# Altium PCB ES_Class6C_2L.PcbDoc (part 1 of 2)
Units mm, origin at the board's own origin, x right, y up, seen from the top; angles counter-clockwise.
Board outline 35 x 74.03 mm, 4 copper layers (Top Layer, Layer 1, Layer 2, Bottom Layer), stack 1.536 mm thick; 108 components, 95 nets, 399 pads, 264 vias.
Unrouted connection lines stored in the file: 113.
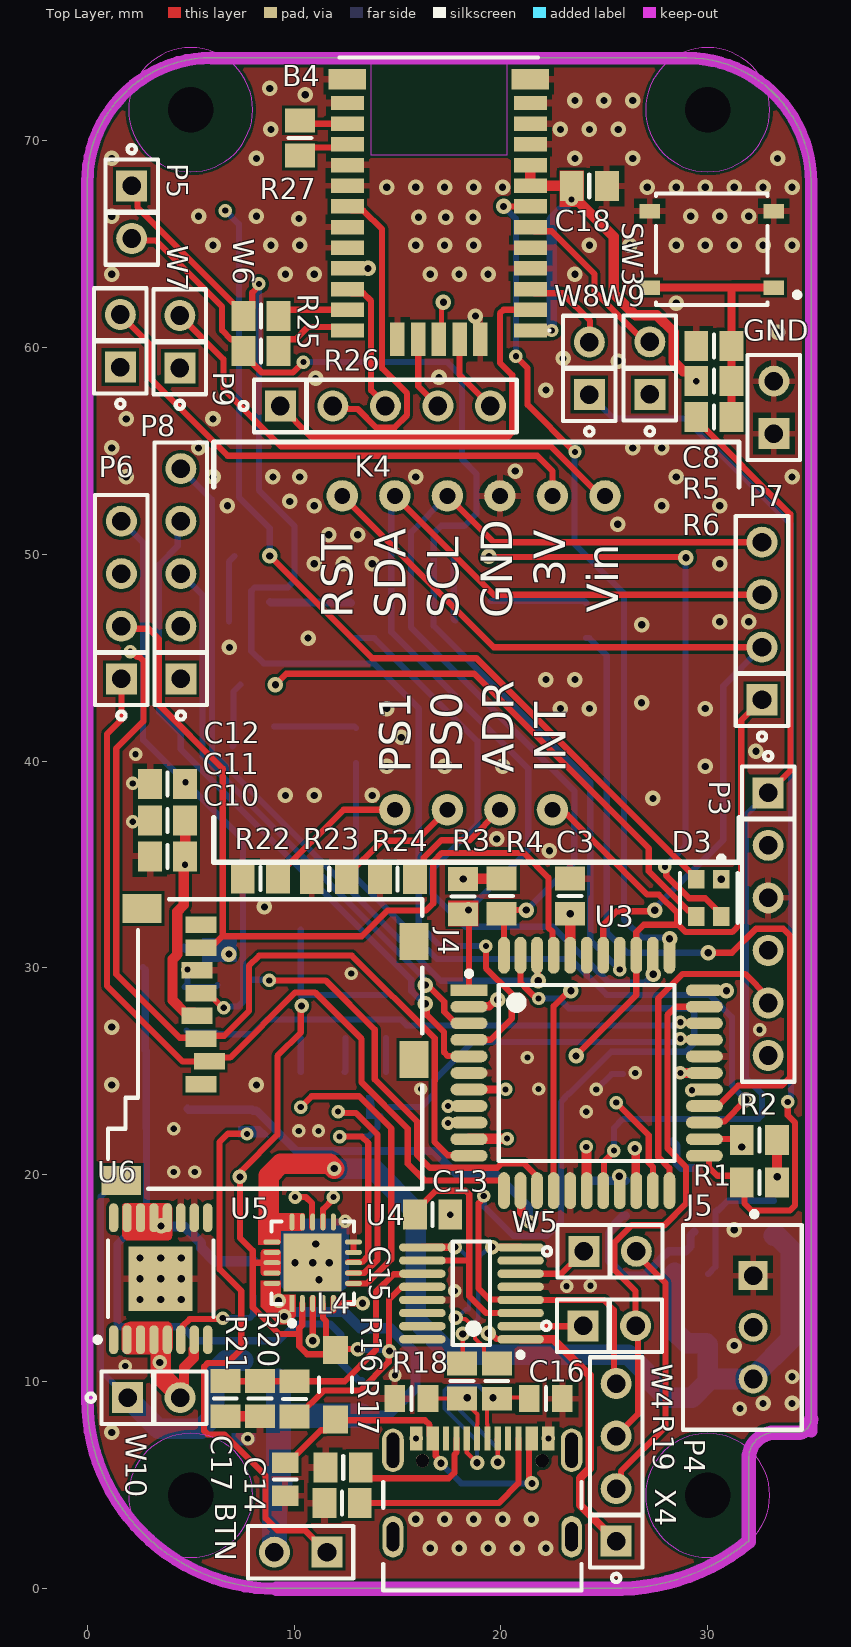
[diagram p0: Top Layer view]
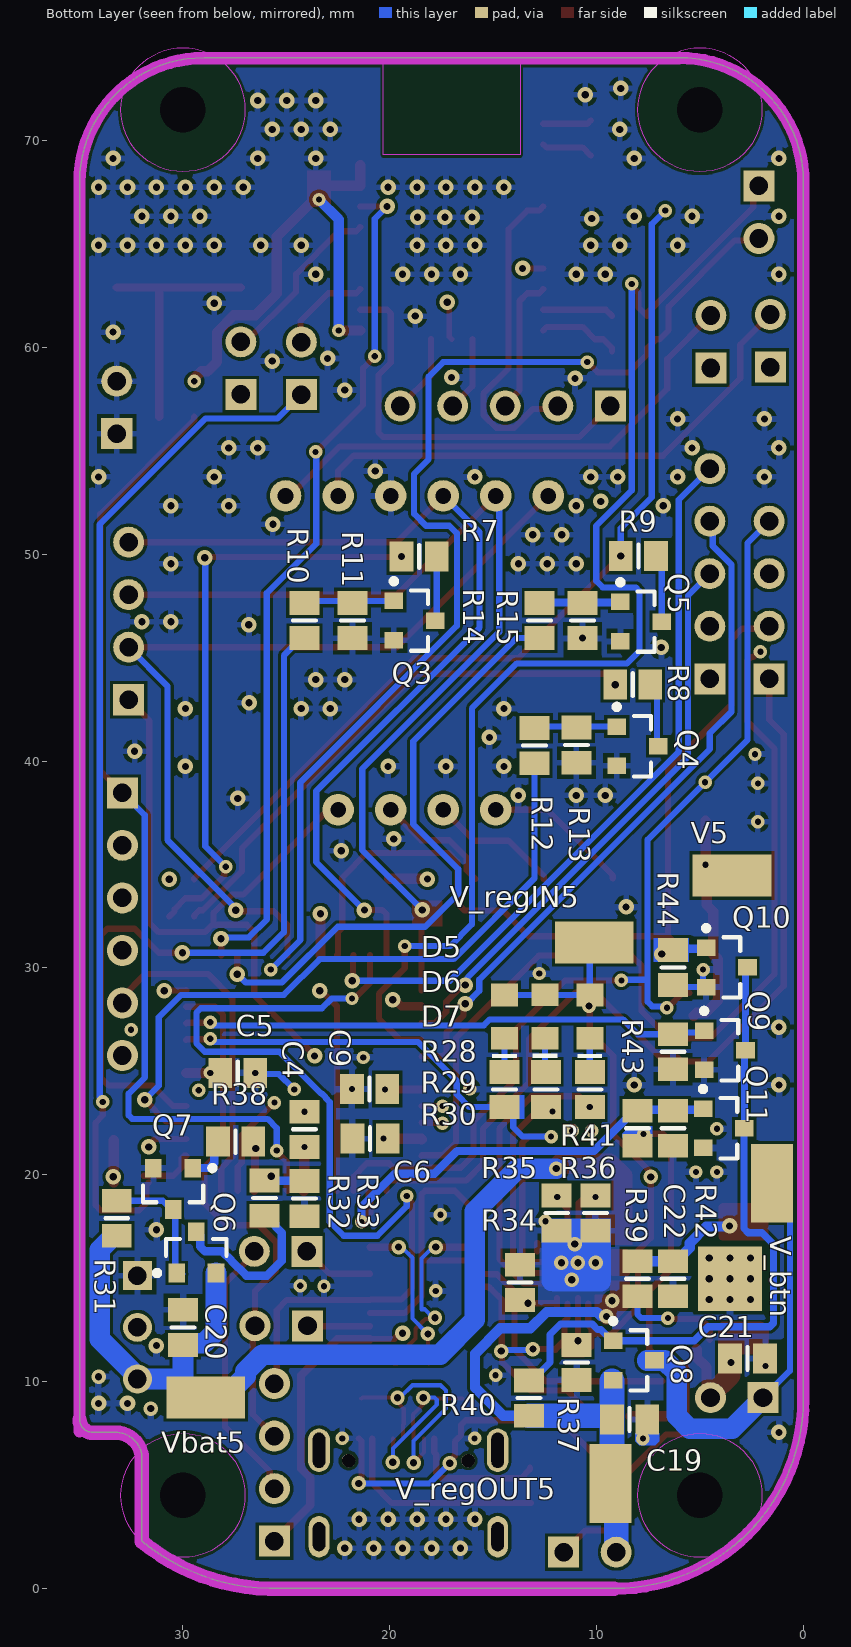
[diagram p1: Bottom Layer view, seen from below]
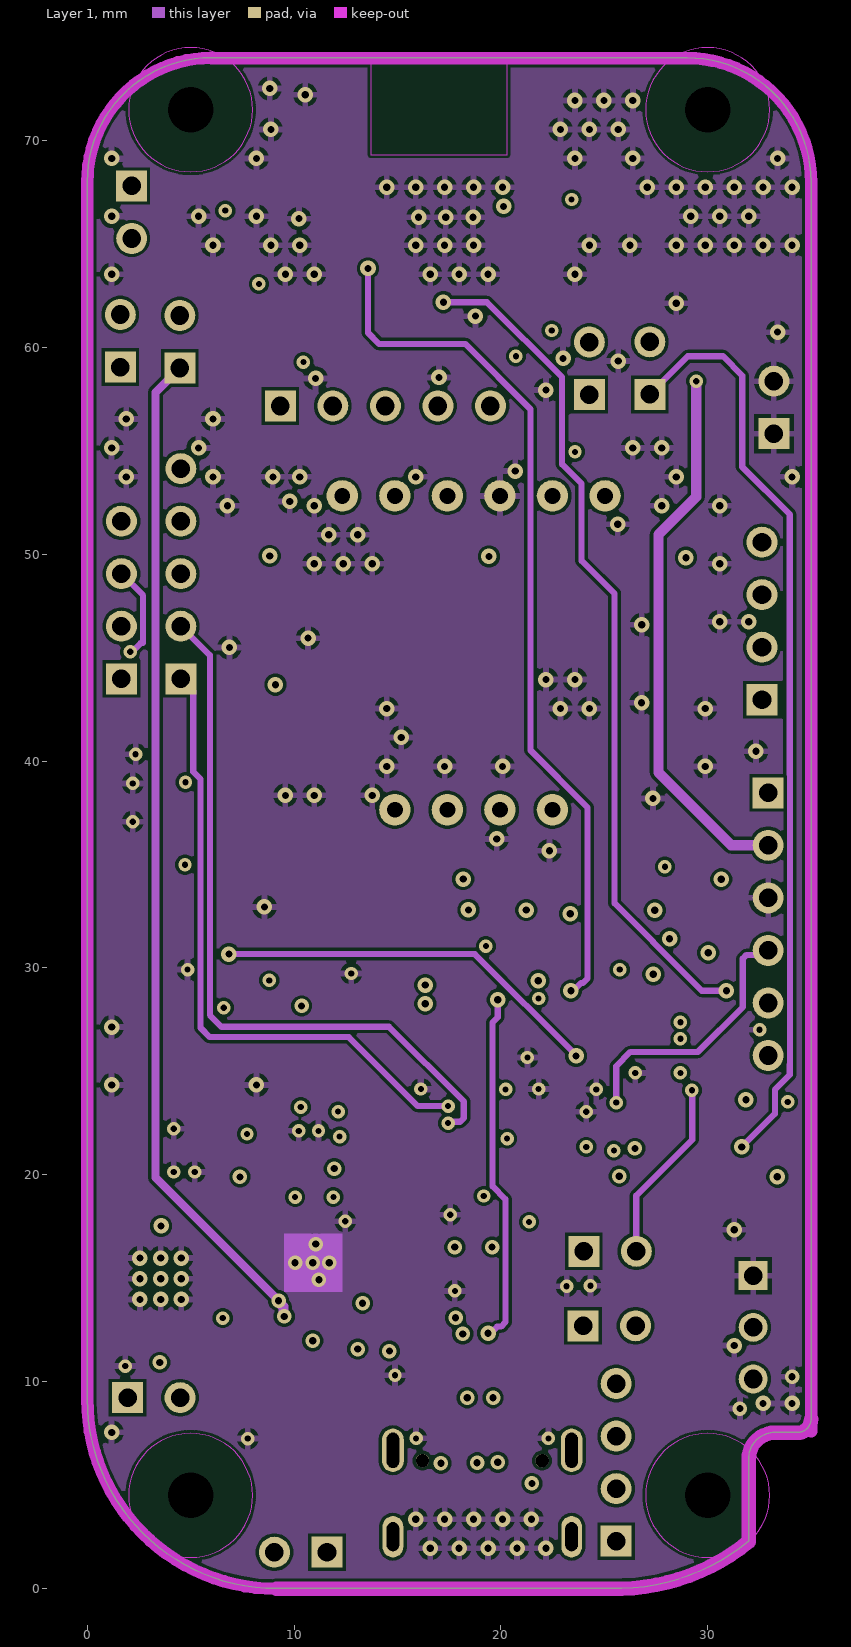
[diagram p2: Layer 1]
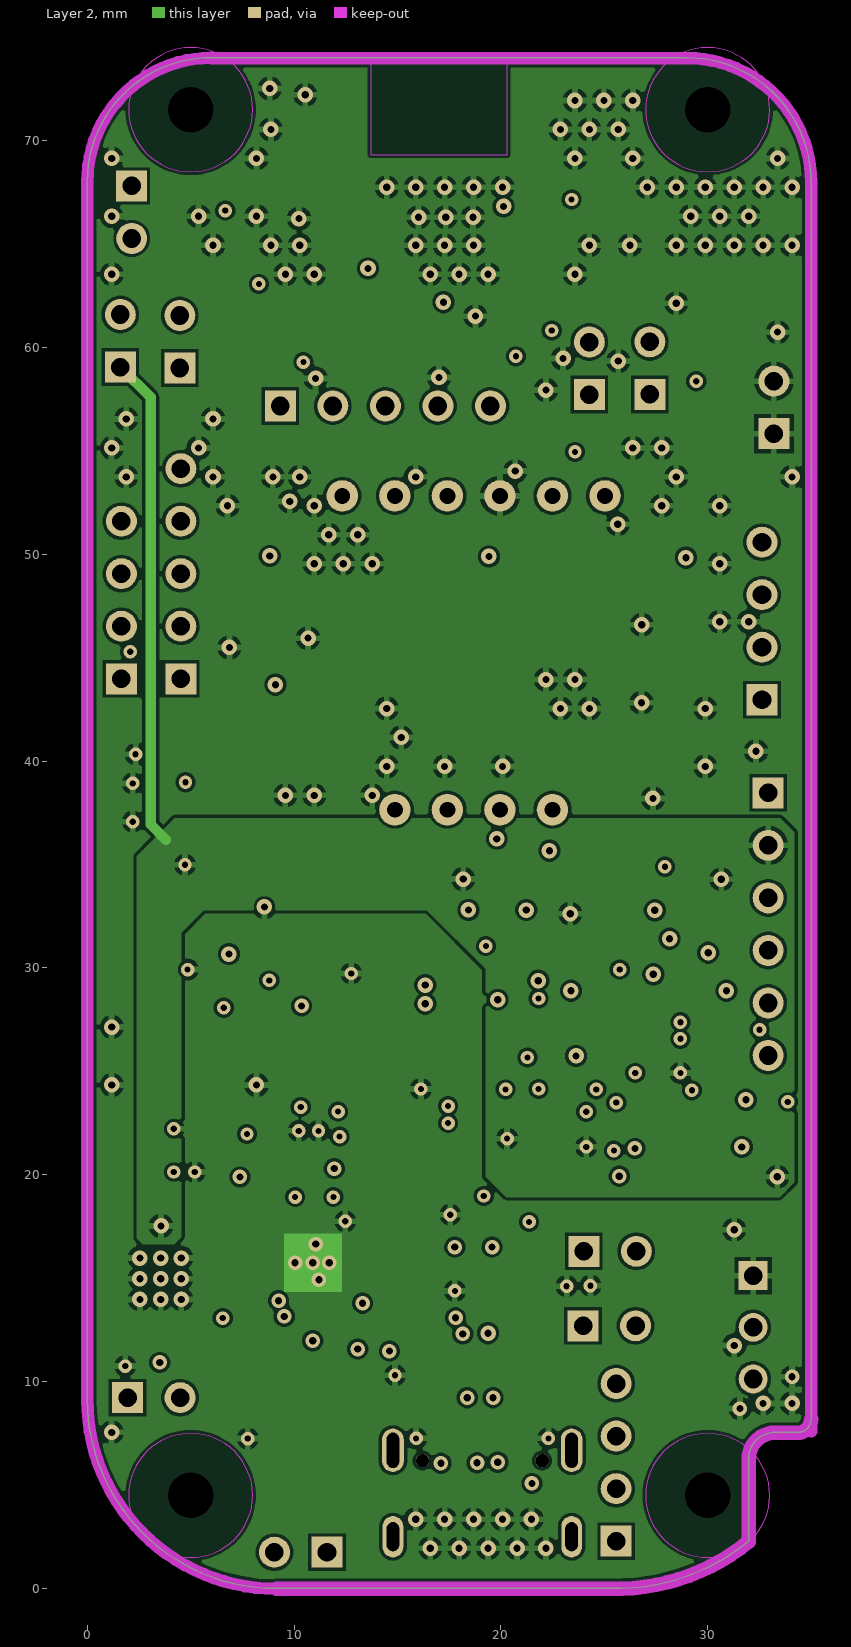
[diagram p3: Layer 2]

## Layer stack, top to bottom
Top Solder: solder mask 0.0102, Solder Resist, Dk 3.5
Top Layer: signal copper 0.018
Dielectric 1: prepreg 0.36, PP-001, Dk 3.9
Layer 1: signal copper 0.035
Dielectric1: core 0.71, FR-4, Dk 4.8
Layer 2: signal copper 0.035
Dielectric 2: prepreg 0.36, PP-001, Dk 3.9
Bottom Layer: signal copper 0.018
Bottom Solder: solder mask 0.0102, Solder Resist, Dk 3.5

## Board outline
9.15,0 cw(c9.15,9.15) 0,9.15 0,68.025 cw(c6,68.025) 6,74.025 6.013,74.013 29,74.013 cw(c29,68.013) 35,68.013 35,8.192 cw(c34.354,8.192) 34.354,7.546 33.25,7.546 ccw(c33.25,6.276) 31.98,6.276 31.98,2.285 cw(c25.562,10.138) 25.85,0

## Design rules (kind name [scope] priority, off if disabled: settings)
BoardOutlineClearance [All] p1 off: gap=0.25 ignorepadtopadclearanceinfootprint=FALSE except(0: Arc-SplitContinuation Track-SplitContinuation SMDPad-SplitContinuation THPad-SplitContinuation Via-SplitContinuation Fill-SplitContinuation Poly-SplitContinuation Region-SplitContinuation Text-SplitContinuation)
Clearance Clearance-xPP-xTP-xTT [All] p1: gap=0.151 ignorepadtopadclearanceinfootprint=FALSE
ComponentClearance [All] p1: gap=0.25 collisioncheckmode=3 verticalgap=0.25 showdistances=FALSE
DiffPairsRouting [All] p1: maxlimit=0.25 minlimit=0.25 mostfreqgap=0.25 toplayer_minwidth=0.2 toplayer_maxwidth=0.381 toplayer_prefwidth=0.381 midlayer1_minwidth=0.2 midlayer1_maxwidth=0.381 midlayer1_prefwidth=0.381 midlayer2_minwidth=0.2 midlayer2_maxwidth=0.381 midlayer2_prefwidth=0.381 bottomlayer_minwidth=0.2 bottomlayer_maxwidth=0.381 bottomlayer_prefwidth=0.381 maxuncoupledlength=12.5
Height [All] p1: minheight=0 maxheight=25 prefheight=12.5
HoleSize HoleSize-PTH [All] p1: absolutevalues=TRUE maxlimit=10 minlimit=0.25 maxpercent=80.000 minpercent=20.000
HoleToHoleClearance [All] p1: gap=0.35 allowstackedmicrovias=TRUE
MinimumAnnularRing "Minimum IAR  >0.45mm" [((ObjectKind = 'Pad') OR (ObjectKind = 'Via')) And (Layer = 'MultiLayer') And (HoleDiameter > AsMM(0.45))] p1: minimumring=0.175 // minimum inner annular ring for pads > 0.45mm finished hole size
MinimumAnnularRing "Minimum IAR <=0.45mm" [((ObjectKind = 'Pad') OR (ObjectKind = 'Via')) And (Layer = 'MultiLayer') And (HoleDiameter <= AsMM(0.45))] p2: minimumring=0.175 // minimum inner annular ring for pads <= 0.45mm finished hole size
MinimumSolderMaskSliver [All] p1: minsoldermaskwidth=0.08
PasteMaskExpansion [All] p1: expansion=-0.025
PlaneClearance PlaneClearance-IPI [All] p1: clearance=0.25
PlaneConnect [All] p1: planeconnectstyle=Relief reliefexpansion=0.175 reliefentries=4 reliefconductorwidth=0.2 reliefairgap=0.2
PolygonConnect DirectVia [All vs IsNamedPolygon('GND_L01_P005') Or IsNamedPolygon('+3V3_L02_P000') Or IsNamedPolygon('GND_L03_P006') Or IsNamedPolygon('GND_L04_P008')] p1: thpad.connectstyle=Relief thpad.reliefconductorwidth=0.3 thpad.reliefentries=4 thpad.polygonreliefangle="90 Angle" thpad.airgapwidth=0.254 smdpad.connectstyle=Relief smdpad.reliefconductorwidth=0.3 smdpad.reliefentries=4 smdpad.polygonreliefangle="90 Angle" smdpad.airgapwidth=0.254 via.connectstyle=Direct via.reliefconductorwidth=0.254 via.reliefentries=4 via.polygonreliefangle="90 Angle" via.airgapwidth=0.254
PolygonConnect PolygonConnect-xTW [All] p2: connectstyle=Relief reliefconductorwidth=0.3 reliefentries=4 polygonreliefangle="90 Angle" airgapwidth=0.2
RoutingCorners [All] p1: cornerstyle=45-Degree minsetback=2.5 maxsetback=2.5
RoutingVias RoutingViasES [All] p1: holewidth=0.3 width=0.65 viastyle="Through Hole" minholewidth=0.25 minwidth=0.61 maxholewidth=0.45 maxwidth=0.8 // finishet hole size <= 0.45mm
SilkToSilkClearance [All] p1 off: silktosilkclearance=0.2
SilkToSolderMaskClearance SilkscreenOverComponentPads [IsPad] p1: minsilkscreentomaskgap=0.2 clearancetoexposedcopper=TRUE
SolderMaskExpansion [All] p1: expansion=0 istentingtop=FALSE
UnRoutedNet [All] p1: checkbadconnections=TRUE
Width Width-xTW [All] p1: maxlimit=1.5 minlimit=0.15 preferedwidth=0.2
17 further rules are at their usual default settings.

## Classes and differential pairs
component class U_Power: BTN C19 C20 C21 C22 D5 D6 D7 GND GND? J5 MP5 MP6 MP7 MP8 MP9 Q6 Q7 Q8 Q9 Q10 Q11 R28 R29 R30 R31 R32 R33 R34 R35 R36 R37 R38 R39 R40 R41 R42 R43 R44 U5 U6 V5 V? V_btn V_btnON? V_regIN5 V_regIN? V_regOUT5 V_regOUT? Vbat5 Vbat? W10
component class U_Peripherals: B4 C10 C11 C12 C13 C14 C15 C16 C17 C18 J4 L4 P9 R16 R17 R18 R19 R20 R21 R22 R23 R24 R25 R26 R27 SD? U4 W4 W5 W6 W7 W8 W9 X4
component class U_MCU: C3 C4 C5 C6 C8 C9 D3 P3 P4 P5 P6 P7 P8 Q3 Q4 Q5 R5 R6 R7 R8 R9 R10 R11 R12 R13 R14 R15 S3 SW3 U3
component class SchemaBloc: R1 R2 R3 R4
differential pair D: +D_P -D_N
differential pair DR: +DR_P -DR_N

## Components (designator, comment, footprint, x,y, rotation, side; value= is the part's Value field where it differs from the comment)
B4 "CAM-M8C-0" CAMM8C0 17,67.025 r0 top
BTN "Button connector" HDR1X2 11.59,1.75 r180 top (schematic designator BTN5)
C3 "100nF" Cap_0805 23.35,33.475 r90 top
C4 "100nF" Cap_0805 24.125,22.2 r90 bottom
C5 "100nF" Cap_0805 27.35,24.925 r180 bottom
C6 "100nF" Cap_0805 20.95,21.75 r0 bottom
C8 "100nF" Cap_0805 30.3,60.075 r180 top
C9 "10uF" Cap_0805 20.975,24.15 r0 bottom
C10 "100nF" Cap_0805 3.881,35.4 r180 top
C11 "4.7uF" Cap_0805 3.881,37.125 r180 top
C12 "NC" Cap_0805 3.881,38.9 r180 top
C13 "100nF" Cap_0805 16.7,18.073 r0 top
C14 "10nF" 6-0805_L 9.575,5.275 r90 top
C15 "47pF" 6-0805_L 15.673,9.18 r0 top
C16 "47pF" 6-0805_L 22.175,9.175 r180 top
C17 "10nF" Cap_0805 6.675,9.175 r90 top
C18 "4.7uF" Cap_0805 24.275,67.815 r0 top
C19 "4.7uF, 35V" Cap_0805 8.4,8.175 r180 bottom
C20 "10uF, 10V" Cap_0805 30,12.625 r90 bottom value=10uF
C21 "4.7uF, 35V" Cap_0805 2.7,11.125 r180 bottom
C22 "6.8uF, 10V" Cap_0805 6.3,14.975 r270 bottom
D3 "ASMB-KTF0-0A306" FP-PLCC-4-MFG 30.057,33.39 r270 top
D5 "Super Red, 1.9 V" WL-SMCW_0805_150080xx75000 14.45,27.65 r90 bottom
D6 "Super Red, 1.9 V" WL-SMCW_0805_150080xx75000 12.487,27.654 r90 bottom
D7 "Super Red, 1.9 V" WL-SMCW_0805_150080xx75000 10.325,27.65 r90 bottom
GND "Header 2" HDR1X2 33.2,55.835 r90 top (schematic designator GND8)
J4 "693071010811" uSD-WE-693071010811 8.6,26.325 r270 top
J5 "B3B-XH-A(LF)(SN)" FP-B3B-XH-A_LF_SN-MFG 31.675,12.625 r270 top
K4 "BNO055-ADAFRUIT" BNO055-ADAFRUIT_NO_HOLES 31.512,55.431 r180 top
L4 "742792133" SMD-1206 12,9.85 r270 top
P3 "Header 6" HDR1X6 32.925,38.47 r270 top
P4 "Header 4" HDR1X4 25.575,2.285 r90 top
P5 "Header 2" HDR1X2 2.15,67.815 r270 top
P6 "Header 4" HDR1X4 1.65,43.985 r90 top
P7 "Header 4" HDR1X4 32.625,42.97 r90 top
P8 "Header 5" HDR1X5 4.525,43.985 r90 top
P9 "Header 5" HDR1X5 9.335,57.175 r0 top
Q3 "BSS138LT1G" ONSC-SOT-23-3-318-08_V 18.8,46.8 r180 bottom
Q4 "BSS138LT1G" ONSC-SOT-23-3-318-08_V 8.025,40.725 r180 bottom
Q5 "BSS138LT1G" ONSC-SOT-23-3-318-08_V 7.85,46.75 r180 bottom
Q6 "NVR1P02T1G" ONSC-SOT-23-3-318-08_V 29.35,16.25 r90 bottom
Q7 "BSS138LT1G" ONSC-SOT-23-3-318-08_V 30.475,19.325 r270 bottom
Q8 "NVR1P02T1G" ONSC-SOT-23-3-318-08_V 8.2,11.025 r180 bottom
Q9 "BSS138LT1G" ONSC-SOT-23-3-318-08_V 3.8,26.025 r180 bottom
Q10 "BSS138LT1G" ONSC-SOT-23-3-318-08_V 3.7,30.025 r180 bottom
Q11 "BSS138LT1G" ONSC-SOT-23-3-318-08_V 3.85,22.25 r180 bottom
R1 "50k" RES_0805 32.5,19.625 r0 top value=1k
R2 "50k" RES_0805 32.5,21.675 r0 top value=1k
R3 "50k" RES_0805 18.175,33.45 r90 top value=1k
R4 "50k" RES_0805 20.025,33.475 r90 top value=1k
R5 "47k" RES_0805 30.3,58.375 r0 top value=1K
R6 "1k" RES_0805 30.3,56.65 r0 top value=1K
R7 "430R" RES_0805 18.575,49.9 r180 bottom value=180R
R8 "430R" RES_0805 8.25,43.7 r180 bottom value=33R
R9 "430R" RES_0805 7.975,49.925 r180 bottom value=39R
R10 "430R" RES_0805 24.125,46.8 r270 bottom
R11 "10k" RES_0805 21.8,46.8 r90 bottom value=47k
R12 "430R" RES_0805 13,40.75 r270 bottom
R13 "10k" RES_0805 10.975,40.775 r90 bottom value=47k
R14 "430R" RES_0805 12.75,46.8 r270 bottom
R15 "10k" RES_0805 10.675,46.8 r90 bottom value=47k
R16 "5k1" RES_0805 12.375,5.85 r180 top
R17 "5k1" RES_0805 12.325,4.125 r180 top
R18 "27R" RES_0805 18.115,10.03 r90 top
R19 "27R" RES_0805 19.801,10.025 r90 top
R20 "10k" RES_0805 10.025,9.167 r270 top
R21 "15k" RES_0805 8.35,9.175 r90 top
R22 "10k" RES_0805 8.37,34.325 r0 top
R23 "10k" RES_0805 11.7,34.3 r0 top
R24 "10k" RES_0805 15,34.3 r0 top
R25 "220R" RES_0805 8.4,61.525 r0 top
R26 "220R" RES_0805 8.4,59.825 r0 top
R27 "220R" RES_0805 10.28,70.131 r90 top value=0R
R28 "270R" RES_0805 14.45,24.125 r90 bottom
R29 "270R" RES_0805 12.45,24.125 r90 bottom
R30 "270R" RES_0805 10.325,24.125 r270 bottom
R31 "39k" RES_0805 33.2,17.9 r270 bottom
R32 "39k" RES_0805 26.05,18.875 r270 bottom
R33 "39k" RES_0805 24.125,18.85 r90 bottom
R34 "10k" RES_0805 13.7,14.8 r270 bottom
R35 "15k" RES_0805 11.925,18.15 r90 bottom
R36 "8k2" RES_0805 10.05,18.15 r90 bottom
R37 "10k" RES_0805 10.962,10.925 r90 bottom
R38 "270R" RES_0805 27.45,21.6 r0 bottom
R39 "100k" RES_0805 8.025,14.975 r270 bottom
R40 "6k2" RES_0805 13.275,9.2 r270 bottom
R41 "10k" RES_0805 8.025,22.25 r270 bottom
R42 "39k" RES_0805 6.3,22.25 r90 bottom
R43 "10k" RES_0805 6.3,25.95 r90 bottom
R44 "10k" RES_0805 6.3,30.025 r90 bottom
SW3 "PTS526SK15SMTR2LFS" FP-PTS526SK15SMTR2LFS-MFG 30.2,64.75 r180 top
U3 "PIC32MX274F256D-I/PT" FP-C04-076-IPC_A 24.15,24.925 r0 top
U4 "FT230XS-U" SSOP-16_N 18.575,14.267 r180 top
U5 "MCP73871T-2CCI/ML" Microchip_C04-126_IPC_B 10.9,15.75 r90 top
U6 "MAX1793EUE33+" TSOP65P640X110_HS-17N 3.55,14.975 r90 top
V5 "3.3V" KSTN-5019_V 3.45,34.475 r180 bottom
V_btn "VBOI" KSTN-5019_V 1.525,19.6 r270 bottom (schematic designator V_btnON5)
V_regIN5 "Vcharge" KSTN-5019_V 10.109,31.221 r180 bottom
V_regOUT5 "Vregu" KSTN-5019_V 9.325,5.075 r90 bottom
Vbat5 "Vbat" KSTN-5019_V 28.9,9.225 r180 bottom
W4 "Jumper" JUMPER 23.975,12.7 r0 top
W5 "Jumper" JUMPER 24.01,16.3 r0 top
W6 "Jumper" JUMPER 4.475,59.01 r90 top
W7 "Jumper" JUMPER 1.6,59.056 r90 top
W8 "Jumper" JUMPER 24.275,57.725 r90 top
W9 "Jumper" JUMPER 27.2,57.735 r90 top
W10 "Jumper" JUMPER 1.95,9.225 r0 top
X4 "USB4105-GF-A" GCT_USB4105-GF-A 19.1,2.5 r0 top

## Footprints (in the part's own frame and the unit in brackets; to place one, negate y for a bottom-side part, rotate by r counter-clockwise, add the part's x,y. Pads: shape width x height; smd on the part's side, far side on the other; paste and mask are expansions set on the pad)
6-0805_L [mm] "Chip Resistor, Body 2.0x1.2mm, IPC High Density"
  rect 1x1.3 smd: 1(-0.8,0) 2(0.8,0)
  silkscreen extent 0,-0.55 0,0.55, body extent -1.07,-0.7 1.07,0.7, height 0.7
BNO055-ADAFRUIT_NO_HOLES [mil]
  round 60 hole 30: 1(255,102.5) 2(355,102.5) 3(455,102.5) 4(555,102.5) 5(655,102.5) 6(755,102.5) 7(355,700.02) 8(455,700.02) 9(555,700.02) 10(655,700.02)
  silkscreen extent 0,0 1000,800, body extent 5,3 1005,803, height 520
CAMM8C0 [mm]
  rect 1.6x0.7 smd: 1(4.425,-6.2) 2(4.425,-5.2) 3(4.425,-4.2) 4(4.425,-3.2) 5(4.425,-2.2) 6(4.425,-1.2) 7(4.425,-0.2) 8(4.425,0.8) 9(4.425,1.8) 10(4.425,2.8) 11(4.425,3.8) 12(4.425,4.8) 15(-4.425,4.8) 16(-4.425,3.8) 17(-4.425,2.8) 18(-4.425,1.8) 19(-4.425,0.8) 20(-4.425,-0.2) 21(-4.425,-1.2) 22(-4.425,-2.2) 23(-4.425,-3.2) 24(-4.425,-4.2) 25(-4.425,-5.2) 26(-4.425,-6.2)
  rect 1.8x1 smd: 13(4.425,5.95) 14(-4.425,5.95)
  rect 0.7x1.6 smd: 27(-2,-6.625) 28(-1,-6.625) 29(0,-6.625) 30(1,-6.625) 31(2,-6.625)
  Keep-Out Layer region: -3.302,2.286 3.302,2.286 3.302,6.985 -3.302,6.985
  silkscreen extent -4.8,-6.25 5.4,7, body extent -4.83,-7 4.77,7, height 2.19
Cap_0805 [mm]
  rect 1.15x1.45 smd: 1(-0.85,0) 2(0.85,0)
  silkscreen extent 0,-0.55 0,0.55, body extent -0.95,-0.6 1.05,0.65, height 0.94
FP-B3B-XH-A_LF_SN-MFG [mm]
  rect 1.4x1.4 hole 0.9 paste-1000 mask+0: 1(-2.5,0.525)
  round 1.4 hole 0.9 paste-1000 mask+0: 2(0,0.525) 3(2.5,0.525)
  silkscreen extent -5.6,-2.88 4.95,2.88, body extent -5.05,-2.98 5.05,2.98, height 0.25
FP-C04-076-IPC_A [mm]
  rect 1.788x0.566 smd paste+0 mask+0: 1(-5.691,4)
  rrect100% 1.788x0.566 smd paste+0 mask+0: 2(-5.691,3.2) 3(-5.691,2.4) 4(-5.691,1.6) 5(-5.691,0.8) 6(-5.691,0) 7(-5.691,-0.8) 8(-5.691,-1.6) 9(-5.691,-2.4) 10(-5.691,-3.2) 11(-5.691,-4) 23(5.691,-4) 24(5.691,-3.2) 25(5.691,-2.4) 26(5.691,-1.6) 27(5.691,-0.8) 28(5.691,0) 29(5.691,0.8) 30(5.691,1.6) 31(5.691,2.4) 32(5.691,3.2) 33(5.691,4)
  rrect100% 0.566x1.788 smd paste+0 mask+0: 12(-4,-5.691) 13(-3.2,-5.691) 14(-2.4,-5.691) 15(-1.6,-5.691) 16(-0.8,-5.691) 17(0,-5.691) 18(0.8,-5.691) 19(1.6,-5.691) 20(2.4,-5.691) 21(3.2,-5.691) 22(4,-5.691) 34(4,5.691) 35(3.2,5.691) 36(2.4,5.691) 37(1.6,5.691) 38(0.8,5.691) 39(0,5.691) 40(-0.8,5.691) 41(-1.6,5.691) 42(-2.4,5.691) 43(-3.2,5.691) 44(-4,5.691)
  silkscreen extent -5.82,-4.25 4.25,4.92, body extent -7.09,-7.09 7.09,7.09, height 0.25
FP-PLCC-4-MFG [mm]
  rect 0.9x0.8 smd paste+0 mask+0: 1(-0.9,0.6) 2(-0.9,-0.6) 3(0.9,-0.6) 4(0.9,0.6)
  silkscreen extent -2.02,-1.4 1.2,1.4, body extent -1.45,-1.2 1.45,1.2, height 0.25
FP-PTS526SK15SMTR2LFS-MFG [mm]
  rect 1x0.7 smd paste+0 mask+0: 1(-3,1.85) 2(3,1.85) 3(-3,-1.85) 4(3,-1.85)
  silkscreen extent -4.25,-2.7 2.7,2.7, body extent -3.6,-2.8 3.6,2.8, height 0.25
GCT_USB4105-GF-A [mm]
  rect 0.6x1.15 smd: A1B12(-3.2,4.755) A4B9(-2.4,4.755) B1A12(3.2,4.755) B4A9(2.4,4.755)
  rect 0.3x1.15 smd: A5(-1.25,4.755) A6(-0.25,4.755) A7(0.25,4.755) A8(1.25,4.755) B5(1.75,4.755) B6(0.75,4.755) B7(-0.75,4.755) B8(-1.75,4.755)
  oval 1.05x2.1 hole 0.6 slot 1.7 at 90 deg: S1(-4.32,4.18) S4(4.32,4.18)
  oval 1x2 hole 0.6 slot 1.4 at 90 deg: S2(-4.32,0) S3(4.32,0)
  round 0.65 hole 0.65 unplated: ""(-2.89,3.68) ""(2.89,3.68)
  silkscreen extent -4.79,-2.6 4.79,2.65, body extent -4.47,-2.59 4.47,5.11, height 3.26
HDR1X2 [mm] "Connector; Header; 2 Position"
  rect 1.5x1.5 hole 0.9: 1(0,0)
  round 1.5 hole 0.9: 2(2.54,0)
  silkscreen extent -1.27,-1.27 3.81,1.27
HDR1X4 [mm] "Connector; Header; 4 Position"
  rect 1.5x1.5 hole 0.9: 1(0,0)
  round 1.5 hole 0.9: 2(2.54,0) 3(5.08,0) 4(7.62,0)
  silkscreen extent -1.98,-1.27 8.89,1.27, body extent -1.27,-1.27 8.89,1.27, height 9.5
HDR1X5 [mm] "Connector; Header; 5 Position"
  rect 1.5x1.5 hole 0.9: 1(0,0)
  round 1.5 hole 0.9: 2(2.54,0) 3(5.08,0) 4(7.62,0) 5(10.16,0)
  silkscreen extent -1.98,-1.27 11.43,1.27, body extent -1.27,-1.27 11.43,1.27, height 9.5
HDR1X6 [mm] "Connector; Header; 6 Position"
  rect 1.5x1.5 hole 0.9: 1(0,0)
  round 1.5 hole 0.9: 2(2.54,0) 3(5.08,0) 4(7.62,0) 5(10.16,0) 6(12.7,0)
  silkscreen extent -1.98,-1.27 13.97,1.27, body extent -1.27,-1.27 13.97,1.27, height 9.5
JUMPER [mm] "Connector; Header; 2 Position"
  rect 1.5x1.5 hole 0.9: 1(0,0)
  round 1.5 hole 0.9: 2(2.54,0)
  silkscreen extent -1.98,-1.27 3.81,1.27, body extent -1.33,-1.27 3.87,1.27, height 8.6
KSTN-5019_V [mm] "Test Point, 1-Leads, Body 3.81x2.03mm"
  rect 3.8x2.03 smd: 1(0,0)
  body extent -1.91,-1.02 1.9,1.02, height 2.29
Microchip_C04-126_IPC_B [mm]
  rect 0.829x0.239 smd paste+0 mask+0: 1(-1.97,1)
  rrect100% 0.829x0.239 smd paste+0 mask+0: 2(-1.97,0.5) 3(-1.97,0) 4(-1.97,-0.5) 5(-1.97,-1) 11(1.97,-1) 12(1.97,-0.5) 13(1.97,0) 14(1.97,0.5) 15(1.97,1)
  rrect100% 0.239x0.829 smd paste+0 mask+0: 6(-1,-1.97) 7(-0.5,-1.97) 8(0,-1.97) 9(0.5,-1.97) 10(1,-1.97) 16(1,1.97) 17(0.5,1.97) 18(0,1.97) 19(-0.5,1.97) 20(-1,1.97)
  rect 2.8x2.8 smd paste-1000 mask+0: 21(0,0)
  silkscreen extent -3.05,-2 2,2, body extent -1.91,-1.87 2.09,2.13, height 1
ONSC-SOT-23-3-318-08_V [mm] "SOT23, 3-Leads, Body 2.92x1.3mm, Pitch 0.95mm"
  rect 0.9x0.8 smd: 1(-1,0.95) 2(-1,-0.95) 3(1,0)
  silkscreen extent -1.13,-1.46 0.65,2.02, body extent -0.65,-1.46 0.65,1.46, height 1.11
RES_0805 [mm]
  rect 1.15x1.45 smd: 1(-0.85,0) 2(0.85,0)
  silkscreen extent 0,-0.55 0,0.55, body extent -0.97,-0.64 1.03,0.62, height 0.51
SMD-1206 [mm] "Chip Inductor, 2-Leads, Body 3.2x1.6mm"
  rect 1.35x1.2 smd: 1(-1.675,0) 2(1.675,0)
  silkscreen extent -0.35,-0.8 0.35,0.8, body extent -1.6,-0.8 1.6,0.8, height 1.09
SSOP-16_N [mm] "SOP, 16-Leads, Body 4.9x3.9mm, Pitch 0.635mm, IPC Medium Density"
  oval 2.25x0.4 smd: 1(-2.375,2.222) 2(-2.375,1.587) 3(-2.375,0.952) 4(-2.375,0.317) 5(-2.375,-0.318) 6(-2.375,-0.953) 7(-2.375,-1.588) 8(-2.375,-2.223) 9(2.375,-2.222) 10(2.375,-1.587) 11(2.375,-0.952) 12(2.375,-0.317) 13(2.375,0.318) 14(2.375,0.953) 15(2.375,1.588) 16(2.375,2.223)
  silkscreen extent -2.5,-2.5 0.9,3.1, body extent -1.99,-2.5 1.99,2.5, height 1.76
TSOP65P640X110_HS-17N [mm] "TSOP, 16-Leads, Body 5.00x4.40mm, Pitch 0.65mm, Thermal Pad 3.10x3.10mm, IPC Medium Density"
  oval 1.4x0.45 smd: 1(-2.95,2.275) 2(-2.95,1.625) 3(-2.95,0.975) 4(-2.95,0.325) 5(-2.95,-0.325) 6(-2.95,-0.975) 7(-2.95,-1.625) 8(-2.95,-2.275) 9(2.95,-2.275) 10(2.95,-1.625) 11(2.95,-0.975) 12(2.95,-0.325) 13(2.95,0.325) 14(2.95,0.975) 15(2.95,1.625) 16(2.95,2.275)
  rect 3.1x3.1 smd: 10(0,0)
  rect 3.1x3.1 smd far side: 10(0,0)
  silkscreen extent -3.07,-2.55 1.85,3.17, body extent -3.19,-2.55 3.19,2.55, height 1.1
uSD-WE-693071010811 [mm] "Micro SD Card Connector Push & Push - with Card Detection - 8 Pins"
  rect 0.8x1.5 smd: 1(1.94,-3.1) 2(0.84,-2.7) 3(-0.26,-3.1) 4(-1.36,-3.3) 5(-2.46,-3.1) 6(-3.56,-3.3) 7(-4.66,-3.1) 8(-5.76,-3.1)
  rect 1.4x1.9 smd: 9(-6.55,-5.95) 9(6.6,-6.95)
  rect 1.8x1.4 smd: 10(-4.95,7.2) 10(0.75,7.2)
  silkscreen extent -7,-7.6 7,7.6, body extent -7,-10.8 7,7.6, height 2
WL-SMCW_0805_150080xx75000 [mm] "SMD Mono-color Chip LED, body 2.0x1.25mm"
  rect 1.1x1.3 smd: 1(-1.05,0) 2(1.05,0)
  silkscreen extent -2,-0.6 -1.8,0.6, body extent -1,-0.63 1,0.62, height 0.7

## Part data
B4: "RF RCVR GNSS/GPS 1.575GHZ MODULE", Manufacturer_Name=U-Blox, Mouser Part Number=377-CAM-M8C-0, Supplier Part Number 1=672-CAM-M8C-0CT-ND, Datasheet Link=https://www.mouser.cn/ProductDetail/u-blox/CAM-M8C-0?qs=%2Fha2pyFadui7ZmsGRBrJBt%252BuEsnOsR2xV%252BdWTisaE9ttYO2aX8ol3A%3D%3D, Geometry.Height=2.3mm, Manufacturer_Part_Number=CAM-M8C-0, Mouser Price/Stock=https://www.mouser.co.uk/ProductDetail/u-blox/CAM-M8C-0?qs=vEM7xhTegWh0Qdx4vzEerw%3D%3D, Supplier 1=Digi-Key
BTN: library part "Header 2", "Header, 2-Pin", LatestRevisionDate=17-Jul-2002, LatestRevisionNote="Re-released for DXP Platform.", Publisher="Altium Limited"
C3 C4 C5 C6 C8 C9 C10 C11 C12 C13 C18: library part C, PCB Footprint=RC0805, SDTSourceLibName=C:\WINDOWS\TEMP\DA.LIB
C14 C15 C16 C17: library part Cap, "Capacitor", LatestRevisionDate=17-Jul-2002, LatestRevisionNote="Re-released for DXP Platform.", PackageDescription="Radial Cap, Thru-Hole; 2 Leads; 0.3 in Pin Spacing", PackageReference=RAD-0.3, Published=8-Jun-2000, Publisher="Altium Limited"
C19 C21: library part CMP-08246-002735-1, "Multilayer Ceramic Capacitors 4.7μF ±10% 35V X7R SMD 0805", Capacitance=4.7uF, Case Code (Imperial)=0805, Case Code (Metric)=2012, Dielectric=X7R, Dielectric Material=Ceramic, Max Operating Temperature=125°C, Min Operating Temperature=-55°C, Package Quantity=2000, Tolerance=10%, Voltage Rating=35V, Case/Package=0805, Construction=Flat, Depth=1.25mm, Height=1.25mm, Lead Free="Lead Free", Length=2mm, Mount="Surface Mount", Packaging="Tape and Reel", Radiation Hardening=No, REACH SVHC="No SVHC", RoHS Compliant=Yes, Series=C, Termination=SMD/SMT, Thickness=0.057inch, Voltage Rating (DC)=35V, Weight=0.000194oz, Width=0.049inch
C20: library part CMP-2007-03243-2, "CAP CER 10UF 10V X5R 0805", 3DS Part Number=220-00001, Capacitance=10uF, Manufacturer=Kemet, Manufacturer Part Number=C0805C106K8PACTU, Package=C0805C-DG, Temperature="-55°C to +85°C", Temperature Characteristic=X5R, Temperature Coefficient=15%, Temperature Range High=+85°C, Temperature Range Low=-55°C, Tolerance=10%, Voltage=10V, Automotive=No, Category=Cap, ComponentLink2Description=Datasheet, ComponentLink2URL=https://content.kemet.com/datasheets/KEM_C1006_X5R_SMD.pdf, Device Class L1="Passive Components", Device Class L2=Capacitors, Device Class L3="Ceramic Capacitors", Digikey Description="CAP CER 10UF 10V X5R 0805", Height=1.4mm, Ipc Land Pattern Name=CAPC200125X125, Lead Free=Yes, Material=Ceramic, Mouser Description="CAP CER 10UF 10V X5R 0805", Octopart=https://octopart.com/c0805c106k8pactu-kemet-98697, RoHS=TRUE, Voltage Rating=10V
C22: library part CMP-08246-000118-1, "Cap Ceramic 6.8uF 10V X5R 20% Pad SMD 0805 +85°C Automotive T/R", Capacitance=6.8uF, Case Code (Imperial)=0805, Case Code (Metric)=2012, Dielectric=X5R, Max Operating Temperature=85°C, Min Operating Temperature=-55°C, Package Quantity=2000, Ratings=AEC-Q200, Tolerance=20%, Voltage Rating=10V, Case/Package=0805, Height=1.25mm, Length=0.079inch, Mount="Surface Mount", Packaging="Tape and Reel", Thickness=0.057inch, Voltage Rating (DC)=10V, Weight=0.000194oz, Width=0.049inch
D3: library part CMP-18399-000003-1, "LED RGB 4PLCC SMD", Colour="Blue, Green, Red", Forward Current=10/15/15mA, Forward Voltage=2.85/2.95/2V, Manufacturer=Broadcom, Max Junction Temp=+100°C, Package=PLCC-4, Power Dissipation=66/66/48mW, Reverse Voltage=4V, Temperature="-40°C to +85°C", Temperature Range High=+85°C, Temperature Range Low=-40°C, Automotive=No, Category=Diode, ComponentLink2Description=Datasheet, ComponentLink2URL=https://docs.broadcom.com/docs/ASMB-KTF0-0A306-DS100, Device Class L1=Optoelectronics, Device Class L2=LEDs, Device Class L3=unset, Digikey Description="LED RGB 4PLCC SMD", Height=2.1mm, Lead Free=Yes, Led Orientation="Top View", Luminous Intensity=215/1100/490mcd, Manufacturer Part Number=ASMB-KTF0-0A306, Mouser Description="LED Multi-Color Chip Red/Green/Blue 620nm/524nm/471nm 20mA 4-Pin PLCC T/R", Octopart=https://octopart.com/asmb-ktf0-0a306-broadcom-87157377, Peak Emmision Wavelength=467/518/628nm, RoHS=TRUE, Viewing Angle=110°, Wavelength=471/524/620nm
D5 D6 D7: library part 150080SS75000, "SMT Mono-color Chip LED Waterclear WL-SMCW, size 0805, Super Red, 1.9 V, 140 deg, 60 mcd", Emitting Color="Super Red", Forward Voltage="1.9 V", Operating Temperature="-40 to 85 degC", Supplier Part Number 1=732-4985-1-ND, Chip Technology=AlInGaP, ComponentLink1Description=Manufacturer, ComponentLink1URL=http://www.we-online.de, ComponentLink2Description=Datasheet, ComponentLink2URL=https://katalog.we-online.de/led/datasheet/150080SS75000.pdf, Dominant Wavelength="630 nm", Luminous Intensity="60 mcd", Mounting Technology=SMT, Packaging="Tape and Reel", Part Number=150080SS75000, Peak Wavelength="645 nm", Published Date="November 2018", Publisher="Wurth Elektronik", Size=0805, Supplier 1=Digi-Key, Supplier 2=Distrelec, Supplier Part Number 2=30008875, Viewing Angle="140 deg"
GND P5: "Header, 2-Pin", LatestRevisionDate=17-Jul-2002, LatestRevisionNote="Re-released for DXP Platform.", Publisher="Altium Limited"
J4: library part uSD-WE-693071010811, "WR-CRD Micro SD Card Connector Push & Push", Contact Resistance=100mOhm, Manufacturer="Wurth Elektronik", Operating Temperature Max=85°C, Operating Temperature Min=-25°C, Rated Current=0.5A, Withstanding Voltage=500VAC, Working Voltage=100VAC, Category="Input/Output Connectors", ComponentLink1Description="Website Link", ComponentLink1URL=https://www.we-online.com/redexpert/article/693071010811?ad, ComponentLink2Description="Datasheet Link", ComponentLink2URL=https://www.we-online.com/redexpert/spec/693071010811?ad, Gender=Socket, Manufacturer Part Number=693071010811, Match Code=WR-CRD, Mount="Surface Mount", Number of Pins=8, Packaging="Tape and Reel", Type="Push & Push"
J5: library part CMP-17439-000014-3, "CONN HEADER VERT 3POS 2.5MM", Color=Natural, Contact Resistance=20mR, Current Rating=3A, Flammability Rating="UL94 V-0", Housing Color=White, Insulation Resistance=1GR, Max Operating Temperature=85°C, Max Voltage Rating (AC)=250V, Min Operating Temperature=-25°C, Connector Type=Header, Contact Finish - Mating=TIN, Contact Material=Brass, Contact Plating=Tin, Contact Shape=Square, Contact Type="Male Pin", Depth=5.75mm, Fastening Type=Detent, Gender=Male, Housing Material=Polyamide, Insulation Color=Natural, Insulation Material=Nylon, Lead Free="Lead Free", Lead Pitch=2.5mm, Length=9.9mm, Max Current Rating=3A, Max Voltage Rating (DC)=250V, Mount="Through Hole", Number of Contacts=3, Number of Positions=3, Number of Rows=1, Orientation=Straight, Packaging=Bulk, Pitch=2.5mm, REACH SVHC="No SVHC", Series=XH, Termination=Solder, Voltage Rating=250V, Voltage Rating (AC)=250V, Wire/Cable Gauge=22AWG
L4: library part CMP-0220-00010-1, "SMD EMI Suppression Ferrite Bead WE-CBF, Z = 600 Ohm", ComponentLink1Description="Manufacturer Link", ComponentLink1URL=http://www.we-online.com, ComponentLink2Description=Datasheet, ComponentLink2URL=http://www.we-online.de/katalog/media/pdf/742792133.pdf, DatasheetVersion="ver 2, Aug-2007", Impedance="600 Ohm", PackageDescription="Chip Inductor, 2-Leads, Body 3.2 x 1.6 mm", PackageReference=SMD-1206, PackageVersion=2007
P3: "Header, 6-Pin", LatestRevisionDate=17-Jul-2002, LatestRevisionNote="Re-released for DXP Platform.", Publisher="Altium Limited"
P4 P6 P7: "Header, 4-Pin", LatestRevisionDate=17-Jul-2002, LatestRevisionNote="Re-released for DXP Platform.", Publisher="Altium Limited"
P8 P9: "Header, 5-Pin", LatestRevisionDate=17-Jul-2002, LatestRevisionNote="Re-released for DXP Platform.", Publisher="Altium Limited"
Q3 Q4 Q5 Q7 Q9 Q10 Q11: library part CMP-1058-00767-1, "Power MOSFET, 200 mA, 50 V, N-Channel, 3-Pin SOT-23, Pb-Free, Tape and Reel", Manufacturer="On Semiconductor", Package Type=SOT-23-3, Channel Polarity="N Channel", Ciss Typ (pF)=40, ComponentLink1Description="Manufacturer URL", ComponentLink1URL=http://www.onsemi.com/, ComponentLink2Description=Datasheet, ComponentLink2URL=http://www.onsemi.com/pub_link/Collateral/BSS138LT1-D.PDF, ComponentLink3Description="Package Specification", ComponentLink3URL=http://www.onsemi.cn/pub_link/Collateral/318-08.PDF, Configuration=Single, Coss Typ (pF)=12, Crss Typ (pF)=3.5, DatasheetVersion="Rev. 8", ID Max (A)=0.2, Mounting Technology="Surface Mount", PackageDescription="3-Pin Small Outline Transistor, Body 2.92 x 1.3 mm, Pitch 0.95 mm", PackageReference=SOT-23-3-318-08, PackageVersion="Rev. AP, 11/2009", Packing="Tape and Reel", PartNumber=BSS138LT1G, PD Max (W)=0.225, RoHS=Pb-Free, V(BR)DSS Min (V)=50, VGS Max (V)=20, VGS(th) Max (V)=1.5
Q6 Q8: library part CMP-1058-00745-1, "Power MOSFET, -20 V, -1 A, P-Channel, 3-Pin SOT-23, Pb-Free, Tape and Reel", Manufacturer="On Semiconductor", Package Type=SOT-23-3, Channel Polarity="P Channel", Ciss Typ (pF)=165, ComponentLink1Description="Manufacturer URL", ComponentLink1URL=http://www.onsemi.com/, ComponentLink2Description=Datasheet, ComponentLink2URL=http://www.onsemi.cn/pub_link/Collateral/NTR1P02T1-D.PDF, ComponentLink3Description="Package Specification", ComponentLink3URL=http://www.onsemi.cn/pub_link/Collateral/318-08.PDF, Configuration=Single, Coss Typ (pF)=110, Crss Typ (pF)=35, DatasheetVersion="Rev. 7", ID Max (A)=1, Mounting Technology="Surface Mount", PackageDescription="3-Pin Small Outline Transistor, Body 2.92 x 1.3 mm, Pitch 0.95 mm", PackageReference=SOT-23-3-318-08, PackageVersion="Rev. AP, 11/2009", Packing="Tape and Reel", PartNumber=NVR1P02T1G, PD Max (W)=0.4, Qrr Typ (nC)=8, RoHS=Pb-Free, V(BR)DSS Min (V)=20, VGS Max (V)=20, VGS(th) Max (V)=2.3
R1 R2 R3 R4 R5 R6 R7 R8 R9 R10 R11 R12 R13 R14 R15 R16 R17 R18 R19 R20 R21 R22 R23 R24 R25 R26 R27: library part Res2, "Res 0805", LatestRevisionDate=17-Jul-2002, LatestRevisionNote="Re-released for DXP Platform.", PackageDescription="Axial Device, Thru-Hole; 2 Leads; 0.4 in Pin Spacing", PackageReference=AXIAL-0.4, Published=8-Jun-2000, Publisher="Altium Limited"
R28 R29 R30 R38: library part CMP-2001-00528-1, "Res 0805", Manufacturer=Panasonic, Part Number=ERJ6ENF2703V
R31 R32 R33 R42: library part CMP-2001-00410-1, "Res 0805", Manufacturer=Panasonic, Part Number=ERJ-6GEYJ393V
R34 R37 R41 R43 R44: library part CMP-2001-04376-1, "Res 0805", Manufacturer=Panasonic, Part Number=ERJ-6ENF1002V
R35: library part CMP-2001-04031-1, "Res 0805", Manufacturer="Vishay Dale", Part Number=CRCW08055K60JNEA
R36: library part CMP-1013-00510-2, "Res 0805", Manufacturer="Vishay Dale", Part Number=CRCW08051K00FKEA
R39: library part CMP-2001-00479-1, "Res 0805", Manufacturer=Panasonic, Part Number=ERJ-P06J104V
R40: library part CMP-2001-00562-1, "Res 0805", Manufacturer=Panasonic, Part Number=ERJ6ENF6201V
SW3: library part CMP-10040-000013-1, "TACT 5.2 X 5.2, 1.5 MM H, 260GF,", Contact Current Rating=50mA, Contact Resistance=100mΩ, Manufacturer=C&K, Operating Force=250gf, Temperature="-20°C to +70°C", Temperature Range High=+70°C, Temperature Range Low=-20°C, Voltage Rating Dc=12V, Automotive=No, Category=Switch, ComponentLink2Description=Datasheet, ComponentLink2URL=https://www.ckswitches.com/media/2780/pts526.pdf, Device Class L1=Electromechanical, Device Class L2=Switches, Device Class L3="Tactile Switches", Digikey Description="TACT 5.2 X 5.2, 1.5 MM H, 260GF,", Electromechanical Life=200000Cycles, Height=1.65mm, Lead Free=Yes, Manufacturer Part Number=PTS526SK15SMTR2LFS, Octopart=https://octopart.com/pts526+sk15+smtr2+lfs-c%26k+components-100617999, Package=PTS526SK15SMTR2LFS, RoHS=TRUE, Standoff Height=0mm, Throw Configuration=SPST-NO
U3: library part CMP-06276-000357-1, "IC MCU 32BIT 256KB FLASH 44TQFP"
U4: library part CMP-0248-00025-2, "USB to Basic UART Interface Chip, UHCI/OHCI/EHCI Compatible, USB 2.0 Compatible, -40 to +85 degC, 16-Pin SSOP, Pb-Free, Tube", Manufacturer=FTDI, Code_JEDEC=MO-137-AB, ComponentLink1Description="Manufacturer URL", ComponentLink1URL=http://www.ftdichip.com/, ComponentLink2Description=Datasheet, ComponentLink2URL=http://www.ftdichip.com/Support/Documents/DataSheets/ICs/DS_FT230X.pdf, ComponentLink3Description="FT230X Product Page", ComponentLink3URL=www.ftdichip.com/Products/ICs/FT230X.html, DatasheetVersion="ver 1.2, Feb-2013", PackageDescription="16-Pin Small Outline Package, 8.6 x 3.9 mm Body, 0.635 mm Pitch", PackageReference=SSOP-16, PackageVersion=Feb-13, PartNumber=FT230XS-U, RevisionNote="DatasheetVersion updated to 1.2 Feb-2013"
U5: "Charger IC Lithium Ion/Polymer 20-QFN _4x4_", Package="QFN-20 Microchip", Digi-Key_Part_Number=MCP73871T-2CCI/MLCT-ND, Digi-Key_Purchase_URL=https://www.digikey.com/product-detail/en/microchip-technology/MCP73871T-2CCI-ML/MCP73871T-2CCI-MLCT-ND/7065594?utm_source=snapeda&utm_medium=aggregator&utm_campaign=symbol, MF=Microchip, MP=MCP73871T-2CCI/ML, SnapEDA_Link=https://www.snapeda.com/parts/MCP73871T-2CCI/ML/Microchip/view-part/1049920/?ref=snap
V5 V_btn V_regIN5 V_regOUT5 Vbat5: library part CMP-1672-00008-1, "Test Point, 1 Position SMD, RoHS, Tape and Reel", Package Quantity=1000, ComponentLink1Description="Manufacturer URL", ComponentLink1URL=http://www.keyelco.com/, ComponentLink2Description=Datasheet, ComponentLink2URL=http://www.keyelco.com/product-pdf.cfm?p=1357, Contact Plating=Silver, DatasheetVersion=03/2014, Mount="Surface Mount", Mounting Technology="Surface Mount", PackageDescription="1-Pin Surface Mount Device, Body 3.81 x 2.03 mm", PackageReference=5019, Packaging="Tape and Reel", Pins=1, RoHSCompliant=True
W4 W5 W6 W7 W8 W9 W10: "Jumper Wire", LatestRevisionDate=17-Jul-2002, LatestRevisionNote="Re-released for DXP Platform.", PackageDescription="Radial Cap, Thru-Hole; 2 Leads; 0.2 in Pin Spacing", PackageReference=RAD-0.2, Published=24-Mar-1999, Publisher="Altium Limited"
X4: library part "USB-C Type 2.0", "USB4105-GF-A USB connector", Supplier Part Number 1=C319148, ComponentLink1Description="LCSC  C319148", ComponentLink1URL=https://lcsc.com/product-detail/USB-Connectors_XKB-Connectivity-U262-161N-4BVC11_C319148.html, Supplier 1=LCSC

## Free pads (board coordinates)
  round 1.524 hole 2.2: 21(5,4.5) 21(5,71.5) 21(30,4.5) 21(30,71.5)

## Via types
v1: diameter 0.75, hole 0.35, Top Layer to Bottom Layer, 170 vias
v2: diameter 0.65, hole 0.3, Top Layer to Bottom Layer, 65 vias
v3: diameter 0.7, hole 0.35, Top Layer to Bottom Layer, 29 vias

## Nets (pads, with @x,y where several pads share a name; then routed paths per layer and width w, separated by ;. In a path a pad name is that pad's centre, name@x,y a point inside that pad or via, vN(x,y) a via of type N, cw(c..) or ccw(c..) an arc to the next point about the centre after c; other vN are vias at no path point)
+3V3: B4.1 B4.8 B4.9 C3.1 C4.1 C5.1 C6.1 C10.1 C11.1 C18.1 C22.1 D3.1 J4.4 P3.2 R1.2 R2.2 R3.2 R4.2 R5.1 R39.1 U3.10 U3.17 U3.28 U3.40 U6.12 U6.13 U6.14 U6.15 V5.1 W7.1 | length 100.7
  Top Layer w0.5: C10.1@4.721,34.993 4.721,35.866 4.731,35.875 C11.1@4.731,37.125 ; v2(4.727,34.993) 4.664,34.931 4.664,33.046 4.349,32.73 4.349,30.651 4.125,30.427 4.125,28.437 4.727,27.835 5.15,27.835 J4.4@5.3,27.685 ; v1(18.175,34.3) 18.187,34.313 20.012,34.313 R4.2@20.025,34.325 ; U3.10@18.459,21.725 18.471,21.738 20.288,21.738 v2(20.3,21.75) ; B4.1@21.425,60.825 v2(22.461,60.825) ; B4.9@21.425,68.825 B4.8@21.425,67.825 21.43,67.82 23.42,67.82 v2(23.42,67.158) 23.449,67.129 23.694,67.129 25.465,65.358 25.465,62.61 26.507,61.568 27.535,61.568 28.351,60.752 28.351,59.307 28.808,58.85 29.125,58.85 29.45,58.525 v2(29.45,58.375) ; U3.40@23.35,30.616 v1(23.35,32.625) ; v2(24.125,21.35) 24.137,21.337 24.137,19.246 U3.17@24.15,19.234 ; v2(28.682,24.925) U3.28@29.841,24.925 ; R1.2@33.35,19.625 R1.2@33.35,19.887 ; R2.2@33.35,21.675 R1.2@33.35,19.887 ; v1(33.368,19.905) R1.2@33.35,19.887
  Layer 1 w0.5: v2(29.45,58.375) 29.45,52.791 27.618,50.959 27.618,39.457 31.145,35.93 P3.2@32.925,35.93
  Layer 2 w0.5: W7.1@1.6,59.056 3.066,57.59 3.066,36.938 3.804,36.199
  Bottom Layer w0.5: v1(3.567,17.525) 3.592,17.5 4.692,17.5 5.501,16.691 5.501,16.474 6.15,15.825 R39.1@8.025,15.825 ; v2(22.461,60.825) 22.461,66.196 23.42,67.155 v2(23.42,67.158)
  other v1: 30.657,34.29
BAT_LVL: R32.1 R33.2 U3.19 | length 1.9
  Bottom Layer w0.4: R33.2@24.125,19.7 24.137,19.713 26.038,19.713 R32.1@26.05,19.725
  other v3: 25.729,19.934
BAT_READ: R38.1 U3.20 | length 2.1
  Top Layer w0.4: v3(26.483,21.275) 26.518,21.24 26.518,19.266 U3.20@26.55,19.234
BAT_STAT: R28.1 U3.30 U5.8 | length 28
  Top Layer w0.3: v2(12.2,21.85) 13.282,21.85 13.588,21.544 13.588,16.078 13.29,15.78 U5.8@12.605,15.78 ; v2(28.682,26.577) 28.708,26.551 29.815,26.551 U3.30@29.841,26.525
  Bottom Layer w0.3: v2(12.2,21.85) 13.578,21.85 14.028,22.3 R28.1@14.028,22.707 ; R28.1@13.846,22.85 R28.1@14.175,22.85 ; R28.1@14.45,23.275 16.145,23.275 16.761,23.891 16.761,24.546 18.64,26.425 28.436,26.425 28.588,26.577 v2(28.682,26.577)
Button_MF: Q11.1 R41.1 R42.2 U3.13 | length 20.9
  Top Layer w0.4: U3.13@20.95,19.234 20.982,19.202 20.982,18.17 21.364,17.788 v2(21.364,17.72)
  Bottom Layer w0.4: Q11.1@4.85,23.2 4.9,23.15 6.3,23.15 7.975,23.15 R41.1@8.025,23.1 8.175,23.1 10.125,21.15 16.738,21.15 17.835,20.053 19.747,20.053 21.364,18.436 v2(21.364,17.72)
CS_SD: J4.2 P6.1 U3.12 | length 43.6
  Top Layer w0.3: P6.1@1.65,43.985 1.65,42 0.95,41.3 0.95,33.888 0.948,33.886 0.948,31.863 0.95,31.861 0.95,29.135 4.6,25.485 J4.2@5.9,25.485 6.083,25.668 6.904,25.668 10.053,28.817 11.012,28.817 13.26,26.569 13.26,24.469 15.497,22.231 15.497,20.538 16.311,19.725 20.004,19.725 20.15,19.579 U3.12@20.15,19.234
D_N: C16.2 R19.1 X4.A7 X4.B7 | length 12
  Top Layer w0.2: X4.B7@18.35,7.255 18.35,6.58 18.85,6.08 v3(18.85,6.075) ; X4.A7@19.35,7.255 19.35,7.93 19.325,7.955 19.325,8.699 R19.1@19.738,9.112 ; v3(19.625,9.225) 21.325,9.225 C16.2@21.375,9.175
  Bottom Layer w0.2: v3(18.85,6.075) 18.85,7.125 17.275,8.7 17.275,9.563 17.538,9.826 18.905,9.826 19.506,9.225 v3(19.625,9.225)
D_P: C15.2 R18.1 X4.A6 X4.B6 | length 9.7
  Top Layer w0.2: C15.2@16.473,9.18 R18.1@18.115,9.18 18.875,8.42 18.875,7.955 18.85,7.93 X4.A6@18.85,7.255 ; X4.B6@19.8,7.205 X4.B6@19.85,7.255 v3(19.85,6.1)
  Bottom Layer w0.2: v3(18.375,9.225) 18.361,9.239 17.842,9.239 17.725,9.121 17.725,8.886 19.85,6.761 v3(19.85,6.1)
DR_N: R19.2 U4.9 | length 9.1
  Top Layer w0.2: v3(17.812,13.086) 17.865,13.033 18.278,13.033 18.404,12.908 18.756,12.556 18.756,12.084 19.176,11.664 19.176,11.35 19.651,10.875 R19.2@19.801,10.875
  Top Layer w0.35: U4.9@16.2,16.49 16.208,16.498 17.765,16.498 v3(17.773,16.506)
  Bottom Layer w0.2: v3(17.773,16.506) 17.908,16.506 18.456,15.958 18.456,13.838 18.456,13.501 18.315,13.501 17.9,13.086 v3(17.812,13.086)
DR_P: R18.2 U4.8 | length 7.7
  Top Layer w0.2: R18.2@18.115,10.88 18.155,10.92 v3(18.155,12.307)
  Top Layer w0.35: v3(19.571,16.505) 19.579,16.497 20.942,16.497 U4.8@20.95,16.49
  Bottom Layer w0.2: v3(18.155,12.307) 18.161,12.307 18.906,13.053 18.906,14.025 18.906,15.99 19.107,16.191 19.122,16.191 19.436,16.505 v3(19.571,16.505)
EXTINT: B4.7 U3.34 | length 41.6
  Top Layer w0.3: v1(20.131,66.825) B4.7@21.425,66.825 ; v2(20.725,59.575) 21.29,59.01 21.29,57.224 23.558,54.956 v2(23.583,54.956) ; U3.34@28.15,30.616 28.15,31.404 v1(28.159,31.413)
  Bottom Layer w0.3: v1(20.131,66.825) 20.725,66.231 v2(20.725,59.575) ; v2(23.583,54.956) 23.558,54.931 23.558,50.517 25.95,48.125 25.95,32.341 26.815,31.476 28.096,31.476 v1(28.159,31.413)
GNC1: B4.2 P9.1 | length 19.5
  Top Layer w0.3: P9.1@9.335,57.175 10.837,55.673 20.323,55.673 20.546,55.896 20.546,58.67 19.955,59.261 19.955,61.649 20.131,61.825 B4.2@21.425,61.825
GNC2: B4.20 P9.2 | length 15.9
  Top Layer w0.3: P9.2@11.875,57.175 12.021,57.029 13.075,57.029 13.98,56.124 14.85,56.124 15.466,56.74 15.466,57.784 14.253,58.997 14.253,65.723 13.351,66.625 12.775,66.625 B4.20@12.575,66.825
GNC3: B4.24 P9.3 | length 6.7
  Top Layer w0.3: B4.24@12.575,62.825 12.775,62.625 13.351,62.625 13.725,62.251 13.725,57.934 14.415,57.244 P9.3@14.415,57.175
GNC4: B4.28 P9.4 | length 3.6
  Top Layer w0.3: B4.28@16,60.4 16,58.13 P9.4@16.955,57.175
GNC5: B4.30 P9.5 | length 3.8
  Top Layer w0.3: B4.30@18,60.4 18,58.67 P9.5@19.495,57.175